# Altium PCB Display.PcbDoc (continued)
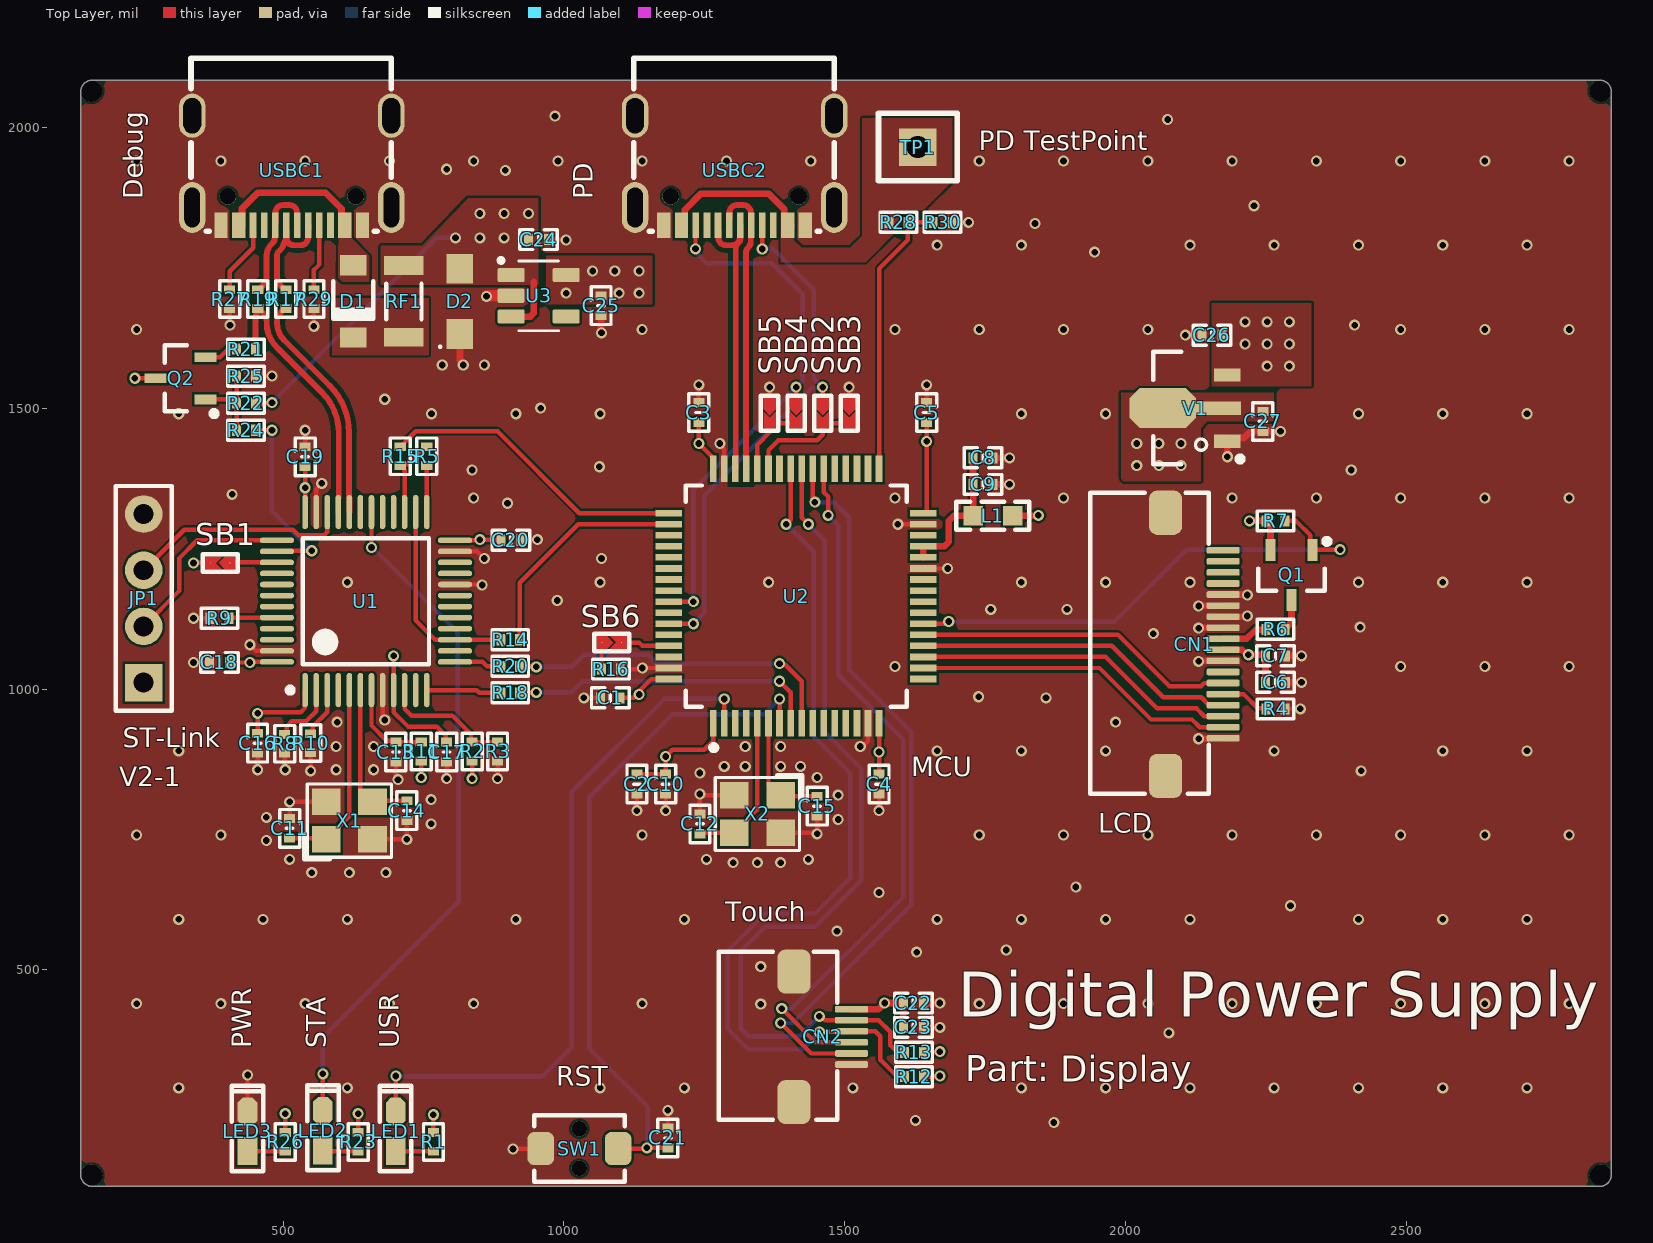
[diagram p0: Top Layer view]
## Footprints (in the part's own frame and the unit in brackets; to place one, negate y for a bottom-side part, rotate by r counter-clockwise, add the part's x,y. Pads: shape width x height; smd on the part's side, far side on the other; paste and mask are expansions set on the pad) (continued)
  silkscreen extent -4.15,-2.85 2.85,3.55, body extent -3.5,-3.5 3.5,3.5, height 1.6
"TEST TP1.4_R" [mm] "红色，测试环"
  rect 1.7x1.7 hole 1: 1(0,0)
  silkscreen extent -1.78,-1.52 1.78,1.52, body extent -1.67,-1.4 1.67,1.4, height 5.41
USB-C-SMD_16P [mm] "封装库来自淘宝ID:黄晶宝石"
  oval 1.2x2.3 hole 0.7 slot 1.8 at 90 deg: 0(-4.5,-1.675) 0(4.5,-1.675)
  oval 1.2x2 hole 0.8 slot 1.6 at 90 deg: 0(-4.5,2.475) 0(4.5,2.475)
  rect 0.3x1.15 smd: A1(3.35,-2.473) A4(2.55,-2.471) A5(1.25,-2.475) A6(0.25,-2.475) A7(-0.25,-2.473) A9(-2.55,-2.475) A12(-3.35,-2.475) B1(-3.05,-2.475) B4(-2.25,-2.475) B5(-1.75,-2.475) B6(-0.75,-2.475) B7(0.75,-2.473) B9(2.25,-2.471) B12(3.05,-2.473)
  rect 0.3x1.148 smd: A8(1.75,-2.475) B8(-1.25,-2.475)
  round 0.75 hole 0.75 unplated: ""(-2.89,-1.175) ""(2.89,-1.175)
  silkscreen extent -4.56,-2.75 4.5,5.08, body extent -4.44,-2.87 4.5,5.03, height 3.25
XTAL-3225-4P [mm] "3.2*2.5*0.7mm(长宽高)                             淘宝ID:黄晶宝石"
  rect 1.3x1.2 smd: 1(-1.05,-0.85) 2(1.05,-0.85) 3(1.05,0.85) 4(-1.05,0.85)
  silkscreen extent -2.03,-1.75 1.91,1.65, body extent -1.6,-1.25 1.6,1.25, height 0.7
小乌龟2脚轻触开关3.9*2.9 [mm] "小乌龟2脚带固定柱3.9*2.9贴片侧按轻触开关按键微动开关"
  rrect50% 1.2x1.5 smd: 1(0,0) 3(3.5,0)
  silkscreen extent -0.3,-1.5 3.8,1.5, body extent -0.65,-2.1 4.15,1.45, height 1.45

## Part data
C1 C2 C3 C4 C5 C6 C7 C8 C9 C10 C11 C12 C13 C14 C15 C16 C17 C18 C19 C20 C21 C22 C23 C24 C25 C26 C27: library part C, "无极性贴片电容", BOM名称=无极性贴片电容, 学习资源=www.ooocke.com, 版权归属=源创客
CN1: library part LCD, "2.8英寸TFT-LCD电容触摸屏接插式FPC座子"
CN2: library part Touch, "2.8英寸TFT-LCD电容触摸屏触摸检测芯片接插式FPC座子"
D1: library part CMP-2100-03587-1, "Schottky Barrier Rectifier, 1 A, 40 Vrm, -65 to 125 degC, 2-Pin SOD123, RoHS, Tape and Reel", Manufacturer="Micro Commercial Components", Package Description="2-Pin Small Outline Diode, Body 2.7 x 1.6 mm, Height 1.35 mm", Package Reference=SOD123, Datasheet URL=http://www.mccsemi.com/up_pdf/B5817W-B5819W(SOD-123).pdf, Datasheet Version="Rev. B, 01/2013", Manufacturer URL=http://www.mccsemi.com/, Package URL=http://www.mccsemi.com/up_pdf/1N4448W(SOD-123).pdf
D2: "贴片TVS瞬变抑制二极管"
JP1: library part "Header 4", "4P接插件", BOM名称=4P接插件, 封装库来自淘宝卖家 ID：黄晶宝石=其他店铺购入均为盗版假冒封装库, 联系卖家，免费查找封装=唯一出售店铺网址https://shop463601444.taobao.com
L1: library part L, "小功率贴片电感", BOM名称=小功率贴片电感, 学习资源=www.ooocke.com, 版权归属=源创客
LED1 LED2 LED3: library part LED-SMD, "贴片LED", BOM名称=贴片LED, 学习资源=www.ooocke.com, 版权归属=源创客
Q1: "P沟道 30V/4.2A", BOM名称=场效应管, 参数="P沟道 30V/4.2A", 联系卖家，免费查找封装=唯一出售店铺网址https://shop463601444.taobao.com
Q2: library part 9013-SMD, "低频放大-NPN型", BOM名称=低频放大-NPN型, 学习资源=www.ooocke.com, 属性=50V?0.5A?0.625W, 版权归属=源创客
R1 R2 R3 R4 R5 R6 R7 R8 R9 R10 R11 R12 R13 R14 R15 R16 R17 R18 R19 R20 R21 R22 R23 R24 R25 R26 R27 R28 R29 R30: library part R, "贴片电阻", BOM名称=贴片电阻, 学习资源=www.ooocke.com, 版权归属=源创客
RF1: library part PPTC, "PPTC自恢复保险丝", BOM名称=PPTC自恢复保险丝, 学习资源=www.ooocke.com, 版权归属=源创客
SB1 SB2 SB3 SB4 SB5 SB6: "跨接桥，用于选择不同的模式，可以用锡连上，或者焊上0R电阻"
SW1: "轻触开关"
TP1: "测试环", BOM名称=测试环, 学习资源=www.ooocke.com, 版权归属=源创客
U1: library part CMP-0237-00215-3, "ARM Cortex-M3 32-bit MCU, 64 KB Flash, 20 KB Internal RAM, 37 I/Os, 48-pin LQFP, -40 to 85 degC, Tray", I/Os (High Current)=37, Operating Frequency(F) (Processor speed) (MHz)=72, Supply Voltage(Vcc) min (V)=2, A/D Converter="2x12-bit (10 Channel)", ComponentLink1Description="Manufacturer URL", ComponentLink1URL=http://www.st.com/web/en/home.html, ComponentLink2Description=Datasheet, ComponentLink2URL=http://www.st.com/st-web-ui/static/active/en/resource/technical/document/datasheet/CD00161566.pdf, ComponentLink3Description="Package Specification", ComponentLink3URL=http://www.st.com/st-web-ui/static/active/en/resource/technical/document/datasheet/DM00058181.pdf, Core="ARM Cortex-M3", DatasheetVersion="Rev. 16", FLASH Size (Prog) (kB)=64, Internal RAM Size (kB)=20, Mounting Technology="Surface Mount", PackageDescription="48-Pin Low Profile Quad Flat Package, 7 x 7 mm Body, 0.5 mm Pitch", PackageReference=LQFP48, PackageVersion="Rev. 6, 06/2013", Packing=Tray, PartNumber=STM32F103C8T6
U2: library part CMP-12105-000051-1, "MAINSTREAM ARM CORTEX-M4 CORE WI", Ambient Temperature Range High=+85°C, Ambient Temperature Range Low=-40°C, Frequency=170MHz, Manufacturer=STMicroelectronics, Max Junction Temp=+105°C, Max Supply Voltage=3.6V, Min Supply Voltage=1.71V, Package=LQFP64-5W, Temperature="-40°C to +105°C", Automotive=No, Category=IC, ComponentLink2Description=Datasheet, ComponentLink2URL=https://www.st.com/resource/en/datasheet/stm32g474cb.pdf, Core Architecture="ARM Cortex-M4", Data Bus Width=32bits, Device Class L1="Integrated Circuits (ICs)", Device Class L2="Embedded Processors and Controllers", Device Class L3=Microcontrollers, Digikey Description="MAINSTREAM ARM CORTEX-M4 CORE WI", Height=1.6mm, Interface=I2C,SPI,UART,USART,CAN,USB,LIN,IrDA,I2S,SMBus,Other, Lead Free=Yes, Manufacturer Part Number=STM32G474RET6, Memory Size=512KBytes, Memory Type=FLASH, Mouser Description="Microcontroller 32-Bit ARM Cortex-M4 RISC 512KB Flash 1.71V to 3.6V 64-Pin LQFP", Number Of A/D Converters=5, Number Of Adc Channels=26, Number Of Cores=1, Number Of I2C Channels=4, Number Of I/Os=52, Number Of Pwm Channels=32, Number Of Spi Channels=3, Number Of Timers/Counters=14, Number Of Uart Channels=6, Number Of Usb Channels=1, Octopart=https://octopart.com/stm32g474ret6-stmicroelectronics-102308483, Ram Size=128KBytes, RoHS=TRUE, Standoff Height=0.05mm, Temperature Range High=+105°C, Temperature Range Low=-40°C
U3: "Linear Voltage Regulator IC 1 Output 500mA SOT-23-5", Package="SOT-23-5 Richtek", Availability=Unavailable, MF="Richtek USA", MP=RT9013-33GB, Price=None, SnapEDA_Link=https://www.snapeda.com/parts/RT9013-33GB/Richtek%20USA%20Inc./view-part/553199/?ref=snap
USBC1 USBC2: library part USB2.0_Type-C_16Pin, "USB2.0_Type-C_16Pin母座", 联系卖家 免费技术支持=封装库来自淘宝卖家ID：黄晶宝石, 联系卖家 免费查找封装=唯一出售店铺网址https://shop463601444.taobao.com
V1: library part AMS1117, "三端稳压芯片", BOM名称=稳压芯片, 学习资源=www.ooocke.com, 版权归属=源创客
X1 X2: library part XTAL-4P, "4脚无源晶振(谐振器）", BOM名称=4脚无源晶振(谐振器）, 联系卖家，免费查找封装=唯一出售店铺网址https://shop463601444.taobao.com

## Free pads (board coordinates)
  round 39.37 hole 39.37 mask+0: ""(158.66,133.86) ""(158.66,2064.57) ""(2845.67,133.86) ""(2845.67,2064.57)

## Via types
v1: diameter 19.68, hole 11.81, Top Layer to Bottom Layer, tented both sides, 203 vias
v2: diameter 19.68, hole 11.81, Top Layer to Bottom Layer, 119 vias
v3: diameter 27.56, hole 27.56, Top Layer to Bottom Layer, 2 vias

## Nets (pads, with @x,y where several pads share a name; then routed paths per layer and width w, separated by ;. In a path a pad name is that pad's centre, name@x,y a point inside that pad or via, vN(x,y) a via of type N, cw(c..) or ccw(c..) an arc to the next point about the centre after c; other vN are vias at no path point)
5V: C24.2 C26.2 D2.2 R22.2 RF1.2 U3.1 U3.3 V1.3 | length 577.8
  Top Layer w7.87: R22.2 479.23,1508.75 v1(480.32,1509.84)
  Top Layer w11.81: U3.3 906.62,1662.35 939.54,1662.35 946.46,1669.27 946.46,1725.2
  Bottom Layer w7.87: v1(480.32,1509.84) 773.62,1803.15 v1(807.09,1803.15)
  other v1: 2251.97,1574.8 2291.34,1574.8 2212.6,1614.17 2251.97,1614.17 2291.34,1614.17 2212.6,1653.54 2251.97,1653.54 2291.34,1653.54 850.39,1803.15 893.7,1803.15 850.39,1846.46 893.7,1846.46 937.01,1846.46
GND: C1.1 C2.1 C3.1 C4.1 C5.1 C6.1 C7.1 C8.1 C9.1 C10.1 C11.2 C12.1 C13.1 C14.2 C15.1 C16.1 C17.1 C18.1 C19.1 C20.1 C21.2 C22.1 C23.1 C24.1 C25.1 C26.1 C27.1 CN1.0 CN1.1 CN1.8 CN1.11 CN1.12 CN1.13 CN1.14 CN2.0 CN2.1 D2.1 JP1.4 LED3.2 R3.1 R4.1 R8.2 R9.1 R10.2 R16.2 R25.1 R27.2 R29.1 R30.2 SB3.1 SB5.1 SW1.1 U1.8 U1.20 U1.23 U1.35 U1.47 U2.15 U2.27 U2.31 U2.47 U2.63 U3.2 USBC1.0 USBC1.A1 USBC1.A12 USBC1.B1 USBC1.B12 USBC2.0 USBC2.A1 USBC2.A12 USBC2.B1 USBC2.B12 V1.1 X1.2 X1.4 X2.2 X2.4 | length 2526.1
  Top Layer w7.87: v1(340.55,1047.24) C18.1 ; v1(340.55,1125.98) R9.1 ; R27.2 405,1648.15 v1(405.51,1647.64) ; LED3.2 436.75,312.73 v1(437.01,312.99) ; v1(440.94,1078.74) 451.77,1067.91 U1.47 ; R25.1 480.1,1556.88 v1(480.32,1557.09) ; v1(454.72,856.3) C16.1 ; R8.2 503.03,857.21 v1(503.94,856.3) ; C11.2 v1(511.81,799.21) X1.4 ; C19.1 v1(539.37,1460.63) ; v1(549.21,854.33) R10.2 ; v1(555,1645.78) R29.1 ; U1.35 559.06,1356.07 568.9,1365.92 v1(568.9,1366.14) ; X1.2 v1(720.47,732.28) C14.2 ; U1.8 677.17,952.02 681.1,948.08 v1(681.1,944.88) ; C13.1 700.79,845.72 704.72,841.78 v1(704.72,838.58) ; v1(791.34,840.55) C17.1 ; U1.20 853.35,1186.02 v1(854.33,1185.04) ; U1.23 845.47,1245.08 v1(858.27,1232.28) ; v1(881.89,840.55) R3.1 ; v1(909.45,181.1) 910.28,181.93 SW1.1 ; C20.1 951.85,1264.84 v1(952.76,1265.75) ; C24.1 1003.15,1800 v1(1003.94,1799.21) ; v1(1035.43,984.25) C1.1 ; R16.2 1137.79,1035.43 v1(1139.76,1037.4) U2.63 ; v1(1129.92,783.46) C2.1 ; v1(1181.1,783.46) C10.1 ; C21.2 v1(1185.04,250) ; C3.1 v1(1240.16,1541.34) ; C12.1 v1(1242.13,812.99) 1244.09,811.02 X2.2 ; v1(1277.56,1437.01) 1277.56,1434.81 1285.43,1426.94 U2.47 ; SB5.1 v1(1366.14,1537.4) ; X2.4 1448.82,744.09 v1(1450.79,742.13) C15.1 ; SB3.1 v1(1507.87,1537.4) ; v1(1527.56,897.64) 1529.82,899.9 1533.91,899.9 1541.34,907.32 U2.15 ; v1(1561.02,783.46) C4.1 ; v1(1594.49,1293.31) U2.31 ; U2.27 v1(1683.07,1214.57) ; C5.1 v1(1645.67,1541.34) ; R30.2 v1(1720.47,1830.71) ; R4.1 v1(2311.02,964.57)
  Top Layer w11.81: D2.1 815,1584.77 820.87,1578.9 v1(820.87,1576.77) ; C25.1 1066.14,1634.65 v1(1066.93,1633.86) ; C23.1 v1(1669.29,397.64) ; C22.1 v1(1669.29,440.94) ; C9.1 v1(1793.31,1364.17) ; C8.1 v1(1793.31,1411.42) ; v1(2106.3,1629.92) C26.1 ; v1(2129.92,911.42) 2147.33,911.42 2148.15,912.24 CN1.1 ; v1(2129.92,1049.21) 2130.75,1050.04 CN1.8 ; v1(2129.92,1108.27) 2130.75,1109.09 CN1.11 ; v1(2129.92,1147.64) 2130.75,1148.46 CN1.13 ; CN1.12 2215.39,1128.78 v1(2216.54,1129.92) ; CN1.14 2215.71,1168.15 v1(2216.54,1167.32) ; v1(2181.1,1413.39) V1.1 2187.01,1446.85 2210.63,1446.85 2222.44,1458.66 C27.1 v1(2275.59,1458.66) ; C6.1 v1(2312.99,1011.81) ; C7.1 v1(2312.99,1059.06)
  Top Layer w19.68: v1(862.2,1698.82) 863.39,1700 U3.2
  other v1: 1872.05,228.35 1625.98,232.28 2076.77,387.8 1350.39,438.98 1350.39,505.91 1627.95,531.5 1787.4,535.43 1486.22,568.9 2293.31,614.17 1561.02,637.8 1911.42,647.64 551.18,673.23 618.11,673.23 683.07,673.23 1301.18,690.94 1344.49,690.94 1385.83,690.94 511.81,696.85 1253.94,696.85 1435.04,696.85 470.47,730.32 763.78,759.84 1488.19,767.72 470.47,771.65 763.78,803.15 1488.19,811.02 1450.79,842.52 1242.13,850.39 2419.29,854.33 594.49,856.3 661.42,856.3 1285.43,862.2 1322.83,862.2 1385.83,862.2 1421.26,862.2 594.49,897.64 661.42,897.64 1322.83,897.64 1385.83,897.64 596.46,940.94 1982.28,940.94 1858.27,984.25 1738.19,986.22 2049.21,1098.43 2417.32,1110.24 1759.84,1141.73 1895.67,1141.73 988.19,1157.48 1066.93,1232.28 899.61,1330.71 409.45,1346.46 836.61,1389.76 2401.57,1389.76 1062.99,1395.67 958.66,1500 681.1,1515.75 783.46,1576.77 858.27,1576.77 2407.48,1647.64 1944.88,1777.56 1838.58,1828.74 2228.35,1860.24 895.67,1923.23 791.34,1925.2 2074.8,2013.78 984.25,2019.68
  other v2: 314.41,290 614.41,290 1064.41,290 1214.41,290 1514.41,290 1814.41,290 1964.41,290 2114.41,290 2264.41,290 2414.41,290 2564.41,290 2714.41,290 239.41,440 389.41,440 539.41,440 689.41,440 839.41,440 1139.41,440 1739.41,440 1889.41,440 2039.41,440 2189.41,440 2339.41,440 2489.41,440 2639.41,440 2789.41,440 314.41,590 464.41,590 614.41,590 914.41,590 1214.41,590 1664.41,590 1814.41,590 1964.41,590 2114.41,590 2414.41,590 2564.41,590 2714.41,590 239.41,740 389.41,740 1139.41,740 1739.41,740 1889.41,740 2039.41,740 2189.41,740 2339.41,740 2489.41,740 2639.41,740 2789.41,740 314.41,890 1664.41,890 1814.41,890 1964.41,890 2264.41,890 2564.41,890 2714.41,890 1589.41,1040 2489.41,1040 2639.41,1040 2789.41,1040 614.41,1190 1064.41,1190 1364.41,1190 1814.41,1190 1964.41,1190 2114.41,1190 2414.41,1190 2564.41,1190 2714.41,1190 839.41,1340 1589.41,1340 1889.41,1340 2189.41,1340 2339.41,1340 2489.41,1340 2639.41,1340 2789.41,1340 314.41,1490 764.41,1490 914.41,1490 1064.41,1490 1814.41,1490 1964.41,1490 2414.41,1490 2564.41,1490 2714.41,1490 239.41,1640 1139.41,1640 1589.41,1640 1739.41,1640 1889.41,1640 2039.41,1640 2489.41,1640 2639.41,1640 2789.41,1640 1664.41,1790 1814.41,1790 2114.41,1790 2264.41,1790 2414.41,1790 2564.41,1790 2714.41,1790 239.41,1940 389.41,1940 539.41,1940 689.41,1940 839.41,1940 989.41,1940 1139.41,1940 1289.41,1940 1439.41,1940 1739.41,1940 1889.41,1940 2039.41,1940 2189.41,1940 2339.41,1940 2489.41,1940 2639.41,1940 2789.41,1940
LCD_3V3: C6.2 C7.2 C22.2 C23.2 C27.2 CN1.9 CN2.6 Q1.2 R7.2 R12.2 R13.2 V1.2 | length 411.5
  Top Layer w7.87: R12.2 1668.22,309.96 v1(1669.29,311.02) ; R13.2 1668.22,353.26 v1(1669.29,354.33)
  Top Layer w11.81: CN2.6 1559.88,429.96 v1(1570.87,440.94) C22.2 C23.2 ; CN1.9 2207.67,1069.72 2216.37,1061.02 v1(2218.5,1061.02) 2247.06,1061.02 C7.2 C6.2 ; v1(2220.47,1299.21) R7.2 2250,1297.25 2257.87,1289.38 Q1.2
  other v1: 2019.68,1397.64 2059.06,1397.64 2098.43,1397.64 2019.68,1437.01 2059.06,1437.01 2098.43,1437.01
LCD_BL: Q1.1 R7.1 U2.22 | length 929.5
  Top Layer w7.87: U2.22 1677.91,1116.14 1681.84,1120.08 v1(1685.04,1120.08) ; R7.1 2303.15,1299.22 2328.89,1273.47 2328.89,1251.54 Q1.1 2332.95,1248.03 v1(2381.89,1248.03)
  Bottom Layer w7.87: v1(1685.04,1120.08) 1980.31,1120.08 2108.27,1248.03 v1(2381.89,1248.03)
LCD_I2C_INT: CN2.3 U2.38 | length 1268.6
  Top Layer w7.87: v1(1387.8,431.1) 1447.99,370.91 CN2.3 ; U2.38 1462.6,1350.39 1470.47,1342.52 v1(1470.47,1309.06)
  Bottom Layer w7.87: v1(1387.8,431.1) 1405.51,431.1 1604.33,629.92 1604.33,909.45 1488.19,1025.59 1488.19,1291.34 v1(1470.47,1309.06)
LCD_I2C_RESET: CN2.2 U2.39 | length 1336.2
  Top Layer w7.87: v1(1385.83,405.51) 1440.12,351.22 CN2.2 ; U2.39 1442.91,1339.81 1446.85,1335.87 v1(1446.85,1332.68)
  Bottom Layer w7.87: v1(1385.83,405.51) 1407.76,405.51 1618.25,616 1618.25,923.37 1507.87,1033.74 1507.87,1305.06 1480.26,1332.68 v1(1446.85,1332.68)
LCD_I2C_SCL: CN2.5 R13.1 U2.40 | length 1533
  Top Layer w7.87: U2.40 1423.23,1305.12 v1(1435.04,1293.31) ; v1(1454.72,417.32) 1457.92,417.32 1464.97,410.28 1560.2,410.28 1580.71,389.76 1580.71,366.14 1591.22,355.63 1603.93,355.63 R13.1
  Bottom Layer w7.87: v1(1435.04,1293.31) 1464.57,1263.78 1464.57,923.51 1529.53,858.55 1529.53,659.45 1446.85,576.77 1358.27,576.77 1314.96,533.46 1314.96,395.67 1328.74,381.89 1419.29,381.89 v1(1454.72,417.32)
LCD_I2C_SDA: CN2.4 R12.1 U2.41 | length 1590.6
  Top Layer w7.87: v1(1395.67,1293.31) 1403.54,1301.18 U2.41 ; v1(1455.06,388.96) 1455.88,389.78 1511.23,389.78 CN2.4 1554.29,390.59 1563.24,381.64 1563.24,340.14 1568.9,334.48 1591.22,312.16 1604.1,312.16 R12.1
  Bottom Layer w7.87: v1(1395.67,1293.31) 1444.88,1244.09 1444.88,915.35 1509.84,850.39 1509.84,663.39 1446.85,600.39 1358.27,600.39 1291.34,533.46 1291.34,395.67 1328.74,358.27 1424.37,358.27 v1(1455.06,388.96)
LCD_SPI_DC: CN1.4 U2.20 | length 577.4
  Top Layer w7.87: U2.20 1975.28,1076.77 2066.98,985.08 2134.41,985.08 2148.19,971.3 CN1.4
LCD_SPI_RESET: CN1.2 U2.18 | length 577.4
  Top Layer w7.87: U2.18 1953.41,1037.4 2045.1,945.71 2118.11,945.71 2131.89,931.93 CN1.2
LCD_SPI_SCL: CN1.3 U2.19 | length 577.4
  Top Layer w7.87: U2.19 1964.35,1057.09 2056.04,965.39 2126.26,965.39 2140.04,951.61 CN1.3
LCD_SPI_SDA: CN1.6 U2.21 | length 574.2
  Top Layer w7.87: U2.21 1986.22,1096.46 2077.91,1004.76 2134.13,1004.76 2140.04,1010.67 CN1.6
LINK_SCK: JP1.2 U1.37 | length 334.6
  Top Layer w7.87: JP1.2 314.96,1174.41 314.96,1232.28 347.44,1264.76 U1.37
LINK_SWD: JP1.3 U1.34 | length 398.6
  Top Layer w7.87: JP1.3 324.02,1283.46 517.72,1283.46 527.56,1273.62 572.83,1273.62 578.74,1279.53 U1.34
MCU_3V3: C1.2 C2.2 C3.2 C4.2 C5.2 C10.2 C16.2 C17.2 C18.2 C19.2 C20.2 C25.2 JP1.1 L1.1 Q2.3 R1.2 R2.1 R11.1 R23.2 R26.2 SB1.2 U1.1 U1.9 U1.24 U1.36 U1.48 U2.1 U2.16 U2.32 U2.48 U2.64 U3.5 | length 1566.3
  Top Layer w7.87: v1(236.22,1553.15) Q2.3 ; v1(340.55,1224.41) SB1.2 ; C18.2 v1(440.94,1047.24) 441.93,1048.23 U1.48 ; C16.2 v1(454.72,956.69) 456.69,958.66 531.5,958.66 538.99,966.16 538.99,997.65 U1.1 ; R26.2 v1(503.94,244.09) ; U1.36 v1(539.37,1358.27) C19.2 ; R23.2 v1@633.86,244.09 ; v1(696.85,1059.06) U1.9 696.85,958.66 722.44,933.07 773.62,933.07 789.37,917.32 789.37,907.48 C17.2 ; v1(746.06,842.52) R11.1 ; R1.2 v1(767.72,242.13) ; U1.24 849.41,1264.76 v1(850.39,1265.75) 886.9,1265.75 C20.2 ; v1(836.61,840.55) R2.1 ; C1.2 1124.75,984.25 1130.66,990.16 v1(1133.86,990.16) 1136.12,992.42 1136.12,998.32 1155.51,1017.72 U2.64 ; C2.2 C10.2 v1(1181.1,879.92) 1192.91,891.73 1250,891.73 1265.75,907.48 U2.1 ; C3.2 v1(1240.16,1437.01) 1263.78,1413.39 1263.78,1393.7 U2.48 ; C4.2 C4.2@1561.03,850.39 ; U2.16 v1(1561.02,887.8) C4.2@1561.03,850.39 ; C4.2@1563,848.42 C4.2@1561.03,850.39 ; U2.32 1643.7,1312.99 1645.67,1314.96 v1(1645.67,1440.94) C5.2
  Top Layer w11.81: L1.1 1843.58,1308.15 v1(1844.49,1309.06)
  other v1: 633.86,244.09 1003.94,1704.72 1098.43,1704.72 1133.86,1704.72 1051.18,1744.09 1090.55,1744.09 1133.86,1744.09
MCU_LED: LED1.2 U2.2 | length 1235.9
  Top Layer w7.87: LED1.2 700.79,247.86 v1(700.79,311.02) ; U2.2 v1(1285.43,982.28)
  Bottom Layer w7.87: v1(700.79,311.02) 962.6,311.02 1013.78,362.2 1013.78,816.93 1179.13,982.28 v1(1285.43,982.28)
MCU_LPUART1_RX: R18.1 U2.8 | length 554.1
  Top Layer w7.87: R18.1 949.89,993.19 v1(950.79,994.09) ; v1(1383.86,1013.78) 1403.54,994.09 U2.8
  Bottom Layer w7.87: v1(950.79,994.09) 1013.78,994.09 1033.46,1013.78 v1(1383.86,1013.78)
MCU_LPUART1_TX: R20.1 U2.9 | length 605.7
  Top Layer w7.87: R20.1 949.72,1040.44 v1(950.79,1039.37) ; v1(1383.86,1045.28) 1386.12,1043.02 1393.99,1043.02 1423.23,1013.78 U2.9
  Bottom Layer w7.87: v1(950.79,1039.37) 1013.78,1039.37 1035.43,1061.02 1149.61,1061.02 1165.35,1045.28 v1(1383.86,1045.28)
MCU_SWCLK: R14.1 U2.50 | length 410.3
  Top Layer w7.87: R14.1 921.26,1188.98 1025.59,1293.31 U2.50
MCU_SWDIO: R15.1 U2.49 | length 551.3
  Top Layer w7.87: R15.1 710.63,1431.1 714.57,1435.04 714.57,1437.01 736.22,1458.66 881.89,1458.66 1027.56,1312.99 U2.49
MCU_UCPD_CC1: SB2.1 U2.59 USBC2.A5 | length 944.1
  Top Layer w7.87: U2.59 v1(1230.32,1116.14) ; USBC2.A5 USBC2.A5 v1(1353.12,1783.17) ; SB2.1 v1(1460.63,1537.4)
  Bottom Layer w7.87: v1(1230.32,1116.14) 1250,1135.83 1250,1344.49 1441.38,1535.87 1459.1,1535.87 v1(1460.63,1537.4) 1444.88,1553.15 1444.88,1710.63 1372.05,1783.46 1353.41,1783.46 v1(1353.12,1783.17)
MCU_UCPD_CC2: SB4.1 U2.57 USBC2.B5 | length 971.1
  Top Layer w7.87: U2.57 v1(1230.32,1155.51) ; v1(1234.25,1783.46) 1234.25,1824.93 USBC2.B5 ; SB4.1 v1(1413.39,1537.4)
  Bottom Layer w7.87: v1(1230.32,1155.51) 1230.32,1354.33 1425.2,1549.21 1425.2,1702.76 1370.08,1757.87 1253.94,1757.87 1238.74,1773.07 1238.74,1775.78 1234.25,1780.27 v1(1234.25,1783.46)
MCU_UCPD_DBCC1: SB2.2 SB3.2 U2.43 | length 209.1
  Top Layer w7.87: U2.43 1364.17,1425.2 1381.89,1442.91 1450.79,1442.91 1460.63,1452.76 SB2.2 SB3.2
MCU_UCPD_DBCC2: SB4.2 SB5.2 U2.44 | length 137.7
  Top Layer w7.87: U2.44 1344.49,1435.04 1366.14,1456.69 SB5.2 SB4.2
MCU_USB_N: U2.45 USBC2.A7 USBC2.B7 | length 535.2
  Top Layer w10.41: USBC2.A7 1294.72,1843.13 1294.72,1848.28 cw(c1307.8,1848.28) 1307.8,1861.35 1319.61,1861.35 cw(c1319.61,1848.28) 1332.68,1848.29 1332.69,1843.14 USBC2.B7 ccw(c1335.05,1824.05) 1332.7,1824.05 1332.7,1796.67 cw(c1318.02,1796.67) 1328.4,1786.29 ccw(c1338.78,1775.91) 1324.1,1775.91 1324.1,1391.73 U2.45
MCU_USB_P: U2.46 USBC2.A6 USBC2.B6 | length 535.4
  Top Layer w10.41: USBC2.B6 1274.91,1808.2 1275.04,1802.75 ccw(c1288.11,1803.06) 1288.11,1789.98 1299.93,1789.98 ccw(c1299.93,1803.06) 1313,1803.06 1313,1808.2 USBC2.A6 cw(c1312.01,1823.95) 1314.4,1823.95 1314.4,1806.8 1314.41,1803.07 ccw(c1327.49,1803.07) 1314.42,1802.6 1314.42,1802.47 cw(c1304.01,1802.47) 1311.37,1795.11 1310.12,1793.86 ccw(c1320.5,1783.48) 1305.82,1783.48 1305.82,1391.73 U2.46
NetC8_2: C8.2 C9.2 L1.2 U2.28 U2.29 | length 256.5
  Top Layer w11.81: U2.28 U2.29 1677.17,1253.94 1685.04,1261.81 1685.04,1299.21 1693.98,1308.15 L1.2 1728.78,1363.75 C9.2 C8.2
NetC11_1: C11.1 U1.5 X1.1 | length 349.8
  Top Layer w7.87: C11.1 574.8,734.25 X1.1 578.74,732.28 598.43,751.97 598.43,753.94 618.11,773.62 U1.5
NetC12_2: C12.2 U2.5 X2.3 | length 275
  Top Layer w7.87: C12.2 1244.09,744.09 X2.3 1305.12,744.09 1324.8,763.78 1324.8,765.75 1344.49,785.43 U2.5
NetC13_2: C13.2 R11.2 U1.7 | length 163.8
  Top Layer w7.87: U1.7 657.48,935.04 684.57,907.95 698.34,907.95 C13.2 R11.2
NetC14_1: C14.1 U1.6 X1.3 | length 270.8
  Top Layer w7.87: U1.6 637.8,818.9 657.48,799.21 X1.3 661.42,801.18 C14.1
NetC15_2: C15.2 U2.6 X2.1 | length 203.9
  Top Layer w7.87: U2.6 1364.17,835.32 1364.17,830.71 1383.86,811.02 X2.1 1387.8,809.05 C15.2
NetC21_1: C21.1 SW1.3 U2.7 | length 1211.5
  Top Layer w7.87: SW1.3 1146.5,181.93 v1(1147.64,183.07) C21.1 ; U2.7 v1(1383.86,982.28)
  Bottom Layer w7.87: v1(1147.64,183.07) 1149.61,185.04 1149.61,255.91 1045.28,360.24 1045.28,807.09 1192.91,954.72 1356.3,954.72 v1(1383.86,982.28)
NetCN1_5: CN1.5 R4.2 | length 87.4
  Top Layer w7.87: CN1.5 2209.8,990.98 2234.93,965.86 2248.72,965.86 R4.2
NetCN1_10: CN1.10 R6.2 | length 83.5
  Top Layer w11.81: CN1.10 2215.39,1089.41 2231.57,1105.59 2249.29,1105.59 R6.2
NetD1_2: D1.2 RF1.1
NetLED1_1: LED1.1 R1.1 | length 67.4
  Top Layer w7.87: LED1.1 700.97,177.16 R1.1
NetLED2_1: LED2.1 R23.1 | length 63.7
  Top Layer w7.87: LED2.1 572.62,177.16 R23.1
NetLED3_1: LED3.1 R26.1 | length 67.4
  Top Layer w7.87: LED3.1 437.19,177.16 R26.1
NetQ1_3: Q1.3 R6.1 | length 58.2
  Top Layer w11.81: R6.1 2283.47,1108.27 2285.44,1110.24 2287.4,1110.24 2295.28,1118.11 Q1.3
NetQ2_1: Q2.1 R22.1 R24.2 R25.2 | length 153.4
  Top Layer w7.87: Q2.1 408.77,1515.75 409.86,1514.66 413.38,1514.66 R22.1@417.32,1510.72 ; R24.2 R22.1 R22.1@417.32,1510.72 ; R25.2 R22.1@417.32,1510.72
NetQ2_2: Q2.2 R21.1 | length 61.1
  Top Layer w7.87: Q2.2 387.8,1590.55 402.24,1605 R21.1
NetR2_2: R2.2 R3.2 U1.10 | length 230.2
  Top Layer w7.87: U1.10 716.56,964.55 728.35,952.76 801.18,952.76 834.65,919.29 834.65,907.48 R2.2 R3.2
NetR8_1: R8.1 U1.2 | length 116.9
  Top Layer w7.87: R8.1 506.91,923.18 506.91,934.08 515.75,942.91 541.34,942.91 559.06,960.63 U1.2
NetR9_2: R9.2 U1.44 | length 86
  Top Layer w7.87: R9.2 404.53,1126.97 U1.44
NetR10_1: R10.1 U1.3 | length 89.9
  Top Layer w7.87: R10.1 553.15,924.29 553.15,933.07 578.74,958.66 U1.3
NetR16_1: R16.1 SB6.1 | length 47.6
  Top Layer w7.87: R16.1 1066.93,1081.89 SB6.1
NetR27_1: R27.1 USBC1.B5 | length 132.3
  Top Layer w7.87: R27.1 405,1743.58 446.85,1785.43 446.85,1825.44 USBC1.B5
NetR29_2: R29.2 USBC1.A5 | length 118.9
  Top Layer w7.87: R29.2 555,1745.95 564.76,1755.71 USBC1.A5
NetSB6_2: SB6.2 U2.61 | length 87.1
  Top Layer w7.87: SB6.2 1133.86,1082.68 1139.76,1076.77 U2.61
PD_VBUS: R28.1 TP1.1 USBC2.A4 USBC2.A9 USBC2.B4 USBC2.B9 | length 279.7
  Top Layer w11.81: USBC2.A9 USBC2.B4 1215.28,1853.07 1244.09,1881.89 1364.17,1881.89 1392.44,1853.62 USBC2.B9 USBC2.A4
PD_VBUS_SENSE: R28.2 R30.1 U2.33 | length 505.5
  Top Layer w7.87: U2.33 1561.02,1748.03 1612.2,1799.21 R28.2 R30.1
PWR_EXT: SB1.1 U1.39 | length 83.8
  Top Layer w7.87: SB1.1 406.77,1225.39 U1.39
STA_LED: LED2.2 U1.30 | length 1231.9
  Top Layer w7.87: LED2.2 v1@570.88,314.94 ; v1(657.48,1251.97) U1.30
  Bottom Layer w7.87: v1(570.87,314.96) 570.87,379.92 812.99,622.05 812.99,907.48 811.02,909.45 811.02,1100.39 659.45,1251.97 v1(657.48,1251.97)
T_JTCK: R14.2 U1.15 U1.26 | length 358.8
  Top Layer w7.87: U1.26 736.22,1122.05 770.67,1087.6 U1.15 887.72,1087.6 R14.2
T_JTMS: R5.1 R15.2 U1.27 | length 149.4
  Top Layer w7.87: U1.27 716.54,1389.09 714.57,1391.06 714.57,1393.7 710.63,1397.64 R15.2 711.11,1400.08 724.89,1400.08 750,1425.2 750,1427.17 753.94,1431.1 R5.1
T_RX: R20.2 U1.13 | length 84.9
  Top Layer w7.87: U1.13 855.31,1048.23 863.11,1040.44 R20.2
T_SWDIO_IN: R5.2 U1.25 | length 82.7
  Top Layer w7.87: U1.25 R5.2
T_TX: R18.2 U1.12 | length 133.9
  Top Layer w7.87: U1.12 844.49,998.03 849.33,993.19 R18.2
USB_Debug_N: R17.1 USBC1.A7 USBC1.B7 | length 224.7
  Top Layer w10.41: R17.1 cw(c505,1715.5) 501.64,1712.14 496.09,1717.69 cw(c512.84,1734.44) 489.15,1734.44 489.15,1771.48 cw(c499.56,1771.44) 492.74,1779.3 ccw(c472.24,1803.04) 502.38,1794.35 cw(c512.36,1791.42) 503.29,1796.53 ccw(c491.93,1803) 505.01,1803 505.01,1811.99 505.71,1812.68 USBC1.A7 506.41,1808.26 506.41,1803 ccw(c519.49,1803) 519.49,1789.92 531.3,1789.92 ccw(c531.3,1803) 544.38,1803 544.38,1803.66 cw(c554.79,1803.66) 544.38,1803.99 544.52,1808.28 USBC1.B7
USB_Debug_P: R19.1 USBC1.A6 USBC1.B6 | length 224.2
  Top Layer w10.41: R19.1 ccw(c455,1715.5) 458.35,1712.14 463.92,1717.7 ccw(c447.14,1734.48) 470.87,1734.48 470.87,1771.49 cw(c499.56,1771.44) 480.74,1793.09 ccw(c472.24,1803.04) 485.32,1803.04 485.32,1822.02 ccw(c483.62,1823.72) 486.02,1823.72 USBC1.B6 486.72,1831.07 ccw(c476.32,1831.39) 486.73,1831.39 486.73,1848.34 cw(c499.81,1848.34) 499.81,1861.41 511.62,1861.41 cw(c511.62,1848.34) 524.7,1848.34 524.7,1843.07 USBC1.A6
USB_N: R17.2 U1.32 | length 415.1
  Top Layer w10.41: R17.2 ccw(c505,1672.53) 501.64,1675.9 496.2,1670.46 ccw(c512.69,1653.97) 489.37,1653.97 489.37,1651.14 ccw(c531.5,1651.18) 501.71,1621.39 582.89,1540.21 cw(c499.55,1456.87) 617.41,1456.87 617.41,1341.68 ccw(c619.8,1341.68) 618.11,1339.98 U1.32
USB_P: R19.2 R21.2 U1.33 | length 488.2
  Top Layer w10.41: R21.2 450.78,1657.61 cw(c476.64,1657.61) R19.2@458.36,1675.89 ; R19.2 cw(c455,1672.53) R19.2@458.35,1675.9 ; U1.33 598.43,1339.98 ccw(c596.73,1341.68) 599.13,1341.68 599.13,1456.7 ccw(c499.13,1456.7) 569.84,1527.41 488.74,1608.5 cw(c531.37,1651.13) 471.09,1651.13 471.09,1653.18 ccw(c446.98,1653.18) 464.03,1670.23 R19.2@458.36,1675.89
USB_RENUMn: R24.1 U1.38 | length 335.9
  Top Layer w7.87: R24.1 v1(480.32,1460.63) ; U1.38 515.3,1245.08 516.28,1246.06 v1(551.18,1246.06)
  Bottom Layer w7.87: v1(480.32,1460.63) 480.32,1316.93 v1(551.18,1246.06)
VBUS: D1.1 USBC1.A4 USBC1.A9 USBC1.B4 USBC1.B9 | length 270.9
  Top Layer w11.81: USBC1.A9 USBC1.B4 426.97,1855.31 454.72,1883.07 575.98,1883.07 604.13,1854.92 USBC1.B9
pads on no net: CN1.7 CN1.15 CN1.16 CN1.17 CN1.18 U1.4 U1.11 U1.14 U1.16 U1.17 U1.18 U1.19 U1.21 U1.22 U1.28 U1.29 U1.31 U1.40 U1.41 U1.42 U1.43 U1.45 U1.46 U2.3 U2.4 U2.10 U2.11 U2.12 U2.13 U2.14 U2.17 U2.23 U2.24 U2.25 U2.26 U2.30 U2.34 U2.35 U2.36 U2.37 U2.42 U2.51 U2.52 U2.53 U2.54 U2.55 U2.56 U2.58 U2.60 U2.62 U3.4 USBC1. USBC1.A8 USBC1.B8 USBC2. USBC2.A8 USBC2.B8
copper on no net:
  other v3: 1027.64,146.5 1027.64,217.36

## Polygon pours and split planes (outlines as drawn)
GND on Top Layer "GND" (solid, remove dead copper, pour order 7): 140,134.69 140,2063.82 cw(c159.69,2063.82) 159.69,2083.5 2844.72,2083.5 cw(c2844.72,2063.82) 2864.41,2063.82 2864.41,134.69 cw(c2844.72,134.69) 2844.72,115 159.69,115 cw(c159.69,134.69)
PD_VBUS on Top Layer "PD_VBUS" (solid, remove dead copper, pour order 6): 1385.83,1846.46 1409.45,1846.46 1409.45,1799.21 1423.23,1785.43 1509.84,1785.43 1531.5,1807.09 1531.5,2015.75 1690.94,2015.75 1690.94,1903.54 1639.76,1852.36 1596.46,1852.36 1596.46,1818.9 1537.4,1759.84 1385.83,1759.84
LCD_3V3 on Top Layer "LCD_3V3" (solid, remove dead copper, pour order 5): 2263.78,1527.56 2263.78,1476.38 2145.67,1476.38 2133.86,1464.57 2133.86,1370.08 1996.06,1370.08 1992.13,1374.02 1992.13,1527.56
MCU_3V3 on Top Layer "MCU_3V3" (solid, remove dead copper, pour order 4): 968.5,1771.65 968.5,1685.04 1157.48,1685.04 1157.48,1771.65
5V on Top Layer "5V" (solid, remove dead copper, pour order 3): 2153.54,1539.37 2153.54,1687.01 2330.71,1687.01 2330.71,1539.37
5V on Top Layer "5V" (solid, remove dead copper, pour order 2): 954.72,1874.02 954.72,1720.08 955.12,1719.68 674.41,1719.68 674.02,1719.29 674.02,1788.58 674.41,1788.98 748.03,1788.98 829.68,1874.02
NetD1_2 on Top Layer "NetD1_2" (solid, remove dead copper, pour order 1): 587.4,1695.67 759.06,1695.67 759.06,1594.88 758.66,1594.49 587.4,1594.49
VBUS on Top Layer "VBUS" (solid, remove dead copper, pour order 0): 598.82,1847.64 621.26,1847.64 621.26,1803.54 653.54,1771.26 653.54,1724.8 598.43,1724.8
GND on Bottom Layer "GND" (solid, remove dead copper, pour order 8): 140,134.69 140,2063.82 cw(c159.69,2063.82) 159.69,2083.5 2844.72,2083.5 cw(c2844.72,2063.82) 2864.41,2063.82 2864.41,134.69 cw(c2844.72,134.69) 2844.72,115 159.69,115 cw(c159.69,134.69)
MCU_3V3 on POWER (split plane): 2824.32,155.09 180.09,155.09 180.09,2043.42 1112.54,2043.42 951.09,1881.97 783.46,1881.97 781.93,1881.66 780.63,1880.79 779.76,1879.49 779.45,1877.95 779.45,1775.59 779.76,1774.05 780.63,1772.75 781.93,1771.88 783.46,1771.58 1015.75,1771.58 1017.28,1771.88 1018.59,1772.75 1127.65,1881.81 1911.72,1881.81 2177.09,1616.45 2177.09,1539.45 1996.06,1539.45 1994.53,1539.14 1993.22,1538.27 1992.35,1536.97 1992.05,1535.43 1992.05,1370.08 1992.35,1368.54 1993.22,1367.24 2087.71,1272.75 2089.02,1271.88 2090.55,1271.58 2159.75,1271.58 2198.74,1232.59 2198.74,998.03 2198.74,842.21 1832.98,476.46 1551.18,476.46 1549.64,476.15 1548.34,475.28 1547.47,473.98 1547.17,472.44 1547.17,287.4 1547.47,285.87 1548.34,284.56 1549.64,283.69 1551.18,283.39 1870.08,283.39 1871.61,283.69 1872.92,284.56 2349.3,760.94 2350.17,762.24 2350.47,763.78 2350.47,988.19 2350.47,1535.43 2350.47,1673.23 2350.17,1674.76 2349.3,1676.07 1981.94,2043.42 2824.32,2043.42
LCD_3V3 on POWER (split plane): 2342.44,988.19 2342.44,765.44 1868.42,291.42 1555.2,291.42 1555.2,468.43 1834.65,468.43 1836.18,468.73 1837.48,469.6 2205.59,837.71 2206.46,839.01 2206.77,840.55 2206.77,998.03 2206.77,1234.25 2206.46,1235.79 2205.59,1237.09 2164.26,1278.43 2162.95,1279.3 2161.42,1279.6 2092.21,1279.6 2000.08,1371.74 2000.08,1531.42 2342.44,1531.42
5V on POWER (split plane): 2342.44,1671.57 2342.44,1539.45 2185.12,1539.45 2185.12,1618.11 2184.81,1619.65 2183.94,1620.95 1916.22,1888.67 1914.92,1889.54 1913.39,1889.84 1125.98,1889.84 1124.45,1889.54 1123.15,1888.67 1014.09,1779.6 787.48,1779.6 787.48,1873.94 952.76,1873.94 954.29,1874.24 955.59,1875.11 1123.9,2043.42 1970.59,2043.42
GND on GND (split plane): 2844.31,135.1 160.1,135.1 160.1,2063.41 2844.31,2063.41

## Other copper
POWER (plane layer: these items are gaps in the copper):
  lines w7.87: 2181.1,1535.43 1996.06,1535.43 1996.06,1370.08 2090.55,1275.59 2161.42,1275.59 2202.76,1234.25 2202.76,998.03 2202.76,840.55 1834.65,472.44 1551.18,472.44 1551.18,287.4 1870.08,287.4 2346.46,763.78 2346.46,988.19 2346.46,1535.43 ; 2181.1,1535.43 2181.1,1618.11 1913.39,1885.83 1125.98,1885.83 1015.75,1775.59 783.46,1775.59 783.46,1877.95 952.76,1877.95 1137.8,2062.99 1956.69,2062.99 2346.46,1673.23 2346.46,1535.43 ; 2181.1,1535.43 2346.46,1535.43

## Silkscreen, mask and mechanical layers (free items; w line width, h text height)
Top Overlay:
  text "PD TestPoint" at 1738.22,1947.45 h59.06
  text "Debug" at 261.86,1872.07 h59.06 r90
  text "PD" at 1062.99,1872.07 h59.06 r90
  text "ST-Link" at 214.59,884.46 h59.06
  text "MCU" at 1618.14,833.28 h59.06
  text "V2-1" at 208.66,814.96 h59.06
  text "LCD" at 1950.81,732.88 h59.06
  text "Touch" at 1287.4,575.4 h59.06
  text "Digital Power Supply" at 1700.85,389.81 h137.8
  text "PWR" at 454.72,360.26 h59.06 r90
  text "STA" at 587.98,360.26 h59.06 r90
  text "USR" at 717.9,360.24 h59.06 r90
  text "Part:" at 1714.6,286.23 h78.74
  text "Display" at 1883.89,285.37 h78.74
  text "RST" at 986.25,282.1 h59.06
Mechanical 1:
  the board outline again, w7.87
Drill Drawing:
  text ".Legend" at 3010,987.69 h39.37

## Dimensions
140,134.69 to 927.24,95.31 on Mechanical 13
140,2063.82 to 1124.43,2122.88 on Mechanical 13
140,2063.82 to 336.12,2122.88 on Mechanical 13